# Allegro board pc065c_fibv2_toplevel_28smoothed.brd (continued)
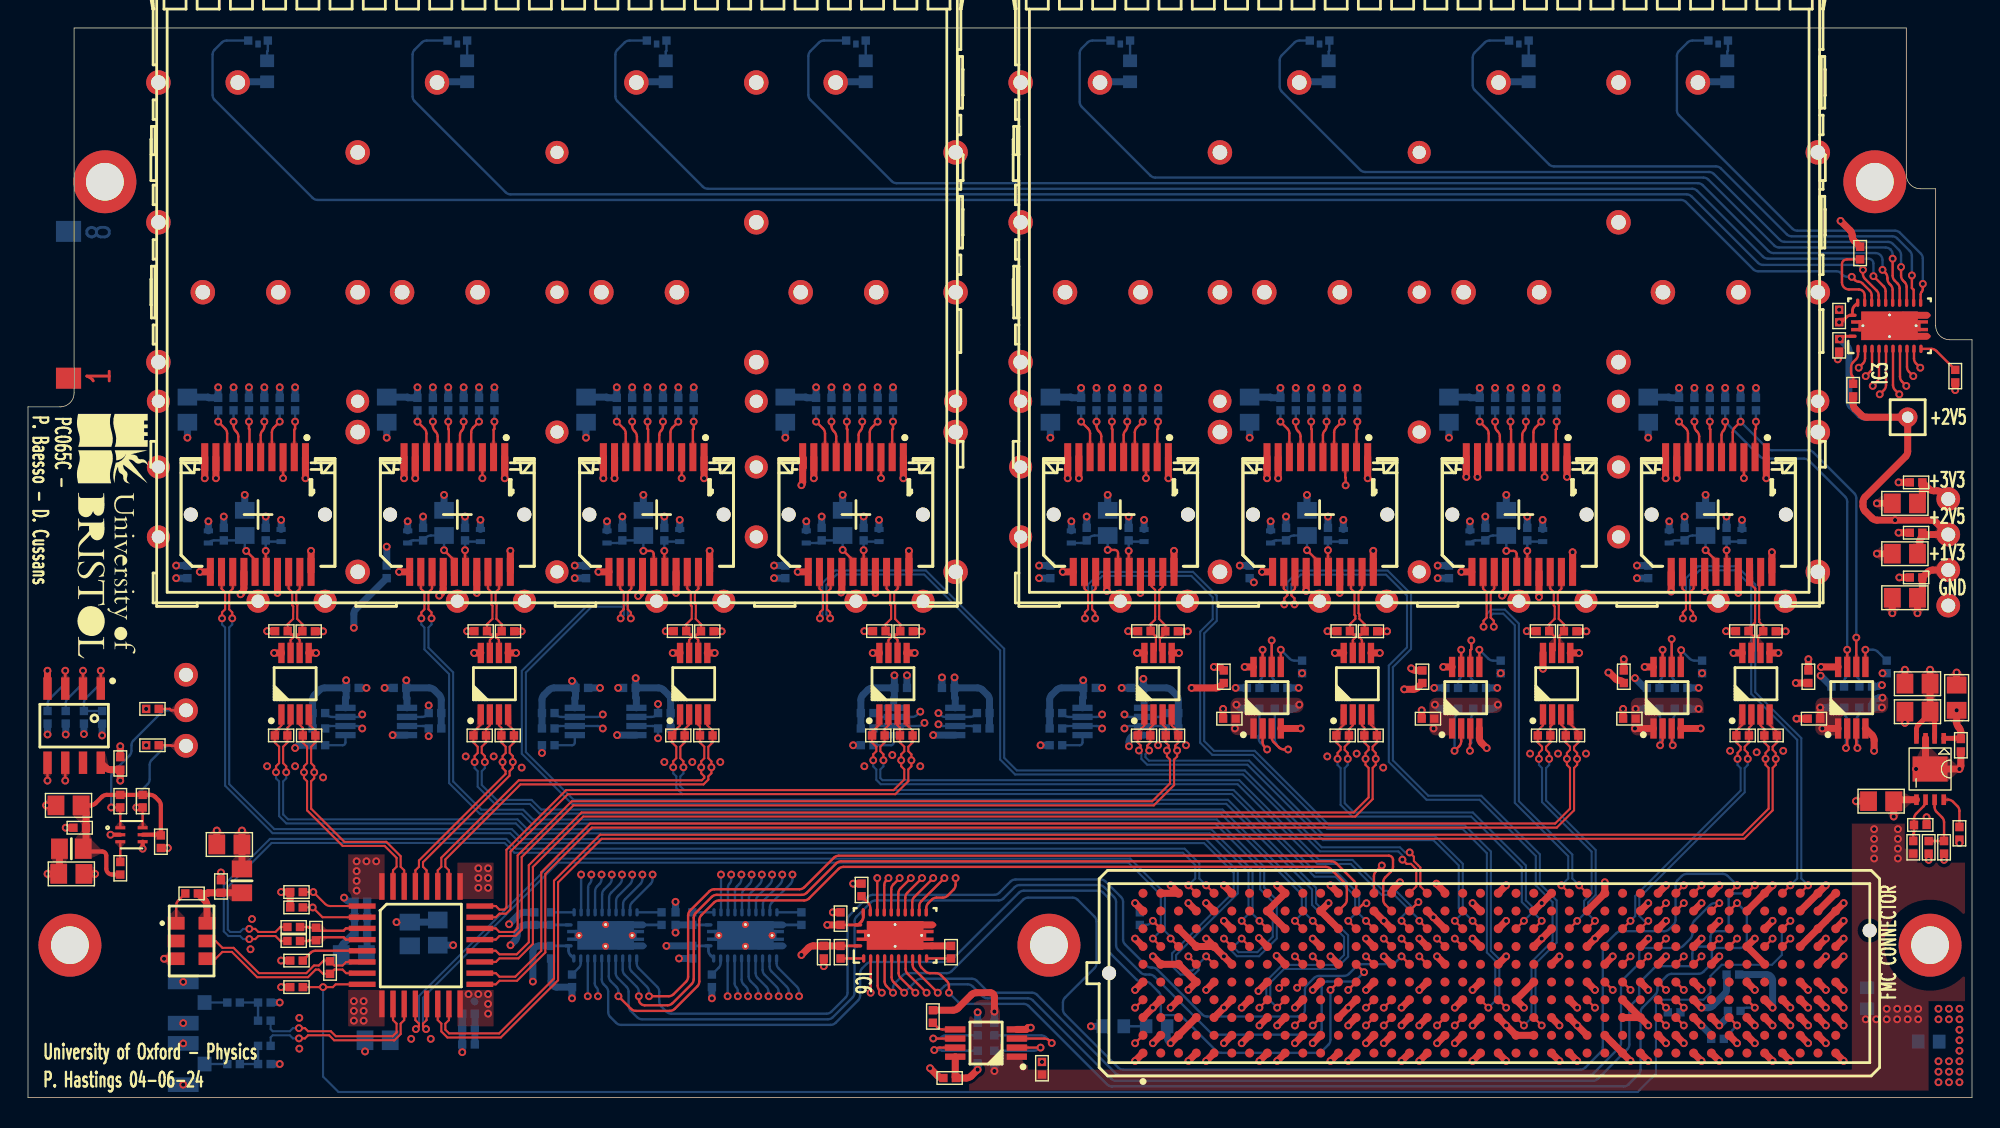
[diagram p0: board, top side]
## Routing (per net, layer and track width the routed paths; a pad name or vN(x,y) marks a point on that pad's centre or on a via; arc(x,y) is an arc through that point) (continued)
LED_FPGA<1>: length 54.1
  TOP w0.17: J2.E27 v1(113.31,7.7) ; v1(131.4,51.6) 131.7,51.9 arc(131.81,52.07) 131.85,52.26 IC3.4
  L3_SIG w0.17: v1(113.31,7.7) 115.05,9.44 arc(115.16,9.6) 115.2,9.79 115.2,13.89 arc(115.24,14.08) 115.35,14.25 120.15,19.05 arc(120.26,19.22) 120.3,19.41 120.3,24.49 arc(120.34,24.68) 120.45,24.85 124.05,28.45 arc(124.16,28.62) 124.2,28.81 124.2,36.69 arc(124.24,36.88) 124.35,37.04 128.15,40.85 arc(128.26,41.01) 128.3,41.2 128.3,44.78 arc(128.34,44.98) 128.45,45.14 130.91,47.6 arc(131.01,47.76) 131.05,47.95 131.05,51.05 arc(131.09,51.24) 131.2,51.4 v1(131.4,51.6)
LED_FPGA<2>: length 46.6
  TOP w0.17: v1(131.9,50.9) 132.2,51.2 arc(132.31,51.37) 132.35,51.56 IC3.5 ; 117.83,14.62 v1(118.39,15.18)
  L3_SIG w0.17: v1(118.39,15.18) 118.39,16.18 arc(118.43,16.37) 118.54,16.54 120.15,18.15 arc(120.32,18.26) 120.51,18.3 121.79,18.3 arc(121.98,18.34) 122.15,18.45 125.95,22.25 arc(126.06,22.42) 126.1,22.61 126.1,25.99 arc(126.06,26.18) 125.95,26.35 125.85,26.45 arc(125.74,26.62) 125.7,26.81 125.7,27.69 arc(125.74,27.88) 125.85,28.05 126.15,28.35 arc(126.32,28.46) 126.51,28.5 127.13,28.5 arc(127.32,28.54) 127.48,28.65 128.95,30.12 arc(129.06,30.28) 129.1,30.47 129.1,44.88 arc(129.14,45.07) 129.25,45.23 131.41,47.39 arc(131.51,47.55) 131.55,47.74 131.55,50.34 arc(131.59,50.54) 131.7,50.7 v1(131.9,50.9)
LED_FPGA<3>: length 48.4
  TOP w0.17: IC3.6 132.85,50.96 arc(132.81,50.77) 132.7,50.6 v1(132.4,50.3) ; 116.56,13.35 v1(117.12,13.91)
  L3_SIG w0.17: v1(132.4,50.3) 132.2,50.1 arc(132.09,49.94) 132.05,49.74 132.05,47.53 arc(132.01,47.34) 131.91,47.18 129.65,44.92 arc(129.54,44.76) 129.5,44.57 129.5,30.31 arc(129.46,30.12) 129.35,29.95 127.45,28.05 arc(127.34,27.88) 127.3,27.69 127.3,27.21 arc(127.26,27.02) 127.15,26.85 126.65,26.35 arc(126.54,26.18) 126.5,25.99 126.5,22.01 arc(126.46,21.82) 126.35,21.65 122.65,17.95 arc(122.48,17.84) 122.29,17.8 120.81,17.8 arc(120.62,17.76) 120.45,17.65 119.25,16.45 arc(119.14,16.28) 119.1,16.09 119.1,14.9 arc(118.98,14.62) 118.7,14.5 117.92,14.5 arc(117.73,14.46) 117.56,14.35 v1(117.12,13.91)
LED_FPGA<4>: length 65.1
  TOP w0.17: v1(133.8,50.3) 133.5,50.6 arc(133.39,50.77) 133.35,50.96 IC3.7 ; 115.28,9.54 v1(115.85,10.1)
  L3_SIG w0.17: v1(133.8,50.3) 133.6,50.5 arc(133.49,50.66) 133.45,50.85 133.45,51.74 arc(133.49,51.94) 133.6,52.1 134.15,52.65 arc(134.32,52.76) 134.51,52.8 135.59,52.8 arc(135.78,52.76) 135.95,52.65 136.65,51.95 arc(136.76,51.78) 136.8,51.59 136.8,45.21 arc(136.76,45.02) 136.65,44.85 135.75,43.95 arc(135.64,43.78) 135.6,43.59 135.6,37.11 arc(135.56,36.92) 135.45,36.75 134.55,35.85 arc(134.44,35.68) 134.4,35.49 134.4,31.71 arc(134.44,31.52) 134.55,31.35 134.85,31.05 arc(134.96,30.88) 135,30.69 135,28.81 arc(134.96,28.62) 134.85,28.45 132.85,26.45 arc(132.68,26.34) 132.49,26.3 129.91,26.3 arc(129.72,26.26) 129.55,26.15 128.35,24.95 arc(128.24,24.79) 128.2,24.59 128.2,21.21 arc(128.16,21.02) 128.05,20.85 123.05,15.85 arc(122.94,15.68) 122.9,15.49 122.9,13.6 arc(122.81,13.39) 122.6,13.3 119.21,13.3 arc(119.02,13.26) 118.85,13.15 117.95,12.25 arc(117.78,12.14) 117.59,12.1 116.9,12.1 arc(116.62,11.98) 116.5,11.7 116.5,10.96 arc(116.46,10.77) 116.35,10.6 v1(115.85,10.1)
LED_FPGA<5>: length 76.8
  TOP w0.17: J2.E28 v1(114.58,7.7) ; v1(134.3,50.9) 134,51.2 arc(133.89,51.37) 133.85,51.56 IC3.8
  L3_SIG w0.17: v1(134.3,50.9) 134.45,50.75 arc(134.56,50.58) 134.6,50.39 134.6,50.2 arc(134.45,49.85) 134.1,49.7 133.5,49.7 arc(133.22,49.82) 133.1,50.1 133.1,51.99 arc(133.14,52.18) 133.25,52.35 134.15,53.25 arc(134.32,53.36) 134.51,53.4 137.39,53.4 arc(137.58,53.36) 137.75,53.25 138.35,52.65 arc(138.46,52.48) 138.5,52.29 138.5,26.91 arc(138.46,26.72) 138.35,26.55 137.65,25.85 arc(137.48,25.74) 137.29,25.7 130.11,25.7 arc(129.92,25.66) 129.75,25.55 129.23,25.03 arc(129.12,24.86) 129.08,24.67 129.08,20.99 arc(129.04,20.8) 128.93,20.63 124.25,15.95 arc(124.14,15.78) 124.1,15.59 124.1,13.91 arc(124.06,13.72) 123.95,13.55 122.55,12.15 arc(122.38,12.04) 122.19,12 118.81,12 arc(118.62,11.96) 118.45,11.85 117.95,11.35 arc(117.84,11.18) 117.8,10.99 117.8,9.41 arc(117.76,9.22) 117.65,9.05 117.35,8.75 arc(117.18,8.64) 116.99,8.6 115.69,8.6 arc(115.5,8.56) 115.34,8.45 v1(114.58,7.7)
LED_FPGA<6>: length 47.3
  TOP w0.17: v1(134.8,51.6) 134.5,51.9 arc(134.39,52.07) 134.35,52.26 IC3.9 ; 119.09,14.62 v1(119.66,15.18)
  L3_SIG w0.17: v1(134.8,51.6) 135.05,51.35 arc(135.16,51.18) 135.2,50.99 135.2,50.31 arc(135.24,50.12) 135.35,49.95 135.65,49.65 arc(135.76,49.48) 135.8,49.29 135.8,45.71 arc(135.76,45.52) 135.65,45.35 134.75,44.45 arc(134.64,44.28) 134.6,44.09 134.6,40.61 arc(134.56,40.42) 134.45,40.25 132.15,37.95 arc(132.04,37.78) 132,37.59 132,31.11 arc(131.96,30.92) 131.85,30.75 127.05,25.95 arc(126.94,25.78) 126.9,25.59 126.9,21.61 arc(126.86,21.42) 126.75,21.25 122.65,17.15 arc(122.48,17.04) 122.29,17 120.71,17 arc(120.52,16.96) 120.35,16.85 119.81,16.31 arc(119.7,16.15) 119.66,15.95 v1(119.66,15.18)
LED_FPGA<7>: length 52.4
  TOP w0.17: IC3.10 134.85,52.86 arc(134.89,52.67) 135,52.5 v1(135.3,52.2) ; J2.J31 v1(118.39,13.91)
  L3_SIG w0.17: v1(118.39,13.91) 118.68,13.91 arc(118.87,13.95) 119.03,14.06 119.33,14.35 arc(119.49,14.46) 119.68,14.5 120.23,14.5 arc(120.35,14.55) 120.4,14.67 120.4,15.9 arc(120.55,16.25) 120.9,16.4 122.59,16.4 arc(122.78,16.44) 122.95,16.55 127.15,20.75 arc(127.26,20.92) 127.3,21.11 127.3,24.39 arc(127.34,24.58) 127.45,24.75 129.55,26.85 arc(129.72,26.96) 129.91,27 132.69,27 arc(132.88,27.04) 133.05,27.15 133.05,27.15 arc(133.16,27.32) 133.2,27.51 133.2,30.79 arc(133.16,30.98) 133.05,31.15 132.75,31.45 arc(132.64,31.62) 132.6,31.81 132.6,36.99 arc(132.64,37.18) 132.75,37.35 134.95,39.55 arc(135.06,39.72) 135.1,39.91 135.1,43.89 arc(135.14,44.08) 135.25,44.25 136.15,45.15 arc(136.26,45.32) 136.3,45.51 136.3,49.49 arc(136.26,49.68) 136.15,49.85 135.85,50.15 arc(135.74,50.32) 135.7,50.51 135.7,51.59 arc(135.66,51.78) 135.55,51.95 v1(135.3,52.2)
MOD_ABS: length 3.4
  TOP w0.17: v1(15.8,48.34) 15.8,47.83 15.84,47.79 J7.6
  BOTTOM w0.17: R26.1 v1(15.8,48.34)
MOD_ABS_1: length 3.4
  TOP w0.17: v1(30.05,48.34) 30.05,47.83 30.09,47.79 J12.6
  BOTTOM w0.17: R38.1 v1(30.05,48.34)
MOD_ABS_2: length 3.4
  TOP w0.17: v1(44.3,48.34) 44.3,47.83 44.34,47.79 J16.6
  BOTTOM w0.17: R46.1 v1(44.3,48.34)
MOD_ABS_3: length 3.4
  TOP w0.17: v1(58.55,48.34) 58.55,47.83 58.59,47.79 J20.6
  BOTTOM w0.17: R54.1 v1(58.55,48.34)
MOD_ABS_4: length 3.4
  TOP w0.17: v1(120.25,48.34) 120.25,47.83 120.29,47.79 J24.6
  BOTTOM w0.17: R103.1 v1(120.25,48.34)
MOD_ABS_5: length 3.4
  TOP w0.17: J28.6 106.04,47.79 106,47.83 v1(106,48.34)
  BOTTOM w0.17: R111.1 v1(106,48.34)
MOD_ABS_6: length 3.4
  TOP w0.17: v1(91.75,48.34) 91.75,47.83 91.79,47.79 J32.6
  BOTTOM w0.17: R119.1 v1(91.75,48.34)
MOD_ABS_7: length 3.4
  TOP w0.17: v1(77.5,48.34) 77.5,47.83 77.54,47.79 J36.6
  BOTTOM w0.17: R127.1 v1(77.5,48.34)
PGOOD_C2M: length 74
  TOP w0.17: J2.D1 v1(79.16,6.43) ; R62.1 v1(137,17)
  L6_SIG w0.17: v1(79.16,6.43) 79.65,5.93 arc(79.76,5.77) 79.8,5.58 79.8,2.11 arc(79.84,1.92) 79.95,1.75 81.15,0.55 arc(81.31,0.44) 81.51,0.4 125.99,0.4 arc(126.18,0.44) 126.35,0.55 130.5,4.7 arc(130.61,4.87) 130.65,5.06 130.65,9.34 arc(130.69,9.53) 130.8,9.7 136.85,15.75 arc(136.96,15.92) 137,16.11 v1(137,17)
PRSNT_L: length 1.8
  TOP w0.17: 81,12.07 v1(80.43,12.64)
  BOTTOM w0.17: R15.2 79.93,12.35 arc(80.12,12.39) 80.28,12.5 v1(80.43,12.64)
RD_FPGA_N<0>: length 103.1
  TOP w0.15: v1(13.88,34.27) 13.88,34.7 14.1,34.92 14.1,36.14 13.84,36.4 J7.12 ; J2.F5 v1(84.24,10.1)
  BOTTOM w0.15: v1(84.24,10.1) 83.7,9.56 83.7,9.12 83.38,8.8 82.4,8.8 81.8,9.4 81.8,10.31 86.21,14.72 86.21,16.08 84.09,18.2 35.19,18.2 34.48,18.91 17.49,18.91 14.1,22.3 14.1,33.62 13.88,33.84 v1(13.88,34.27)
RD_FPGA_N<1>: length 86.9
  TOP w0.15: 87.34,10.8 v1(86.78,11.37) ; v1(28.12,34.27) 28.12,34.7 28.34,34.92 28.34,36.14 28.09,36.4 J12.12
  BOTTOM w0.15: v1(86.78,11.37) 86.29,10.88 86.29,10.67 86.56,10.4 87.9,10.4 89,11.5 89,14 88.1,14.9 88.1,16.39 84.89,19.6 35.99,19.6 35.29,20.3 32.3,20.3 30.11,22.49 30.11,30.29 28.34,32.05 28.34,33.62 28.12,33.84 v1(28.12,34.27)
RD_FPGA_N<2>: length 94.5
  TOP w0.15: v1(42.38,34.27) 42.38,34.7 42.59,34.92 42.59,36.14 42.34,36.4 J16.12 ; J2.D9 v1(89.32,6.43)
  BOTTOM w0.15: v1(89.32,6.43) 88.83,6.92 88.83,8.22 89.81,9.2 93.51,9.2 94.39,10.08 94.39,11.61 92.1,13.9 92.1,15 85.8,21.3 39.01,21.3 35.6,24.71 35.6,30.4 40.31,35.11 42.45,35.11 42.6,34.96 42.6,34.5 v1(42.38,34.27)
RD_FPGA_N<3>: length 64.8
  TOP w0.15: v1(56.62,34.27) 56.62,34.7 56.84,34.92 56.84,36.14 56.59,36.4 J20.12 ; v1(98.79,17.54) 99.09,17.23 99.09,16.92 99.39,16.62 99.39,16.62 99.56,16.46 99.56,15.11 J2.K17
  BOTTOM w0.15: v1(98.79,17.54) 98.47,17.54 98.1,17.9 92.5,17.9 87,23.4 70.7,23.4 69.8,24.3 69.8,32.1 64.2,37.7 57.7,37.7 56.8,36.8 56.8,34.45 v1(56.62,34.27)
RD_FPGA_N<4>: length 63.3
  TOP w0.15: J36.12 75.54,36.4 75.8,36.14 75.8,34.92 75.58,34.7 v1(75.58,34.27) ; J2.D21 105.13,7 105.69,6.43 v1(105.69,6.43)
  BOTTOM w0.15: v1(105.69,6.43) 105.2,6.92 105.2,9.9 104.6,10.5 104.6,17.6 102.7,19.5 93.01,19.5 87.71,24.8 84.8,24.8 84.1,25.5 84.1,33.2 85,34.1 85,35.9 83.3,37.6 76.7,37.6 75.8,36.7 75.8,34.93 75.58,34.71 v1(75.58,34.27)
RD_FPGA_N<5>: length 54.2
  TOP w0.15: v1(89.83,35.27) 89.83,35.7 90.05,35.92 90.05,36.14 89.79,36.4 J32.12 ; v1(108.23,5.16) 107.67,5.72 107.67,5.72
  BOTTOM w0.15: v1(108.23,5.16) 107.79,5.6 107.79,9.58 109.3,11.09 109.3,14.1 108.1,15.3 108.1,17.4 103.91,21.59 100.12,21.59 97.59,24.12 97.59,30.78 98.89,32.08 98.89,36.02 97.22,37.69 90.88,37.69 90.05,36.86 90.05,35.93 89.83,35.71 v1(89.83,35.27)
RD_FPGA_N<6>: length 29.3
  TOP w0.15: J2.K26 v1(110.91,15.18) ; v1(104.08,33.67) 104.08,34.1 104.3,34.32 104.3,36.14 104.04,36.4 J28.12
  BOTTOM w0.15: v1(110.91,15.18) 110.42,15.67 110.42,17.38 106.6,21.2 106.6,33.9 105.6,34.9 104.61,34.9 104.3,34.58 104.3,34.33 104.08,34.11 v1(104.08,33.67)
RD_FPGA_N<7>: length 36.2
  TOP w0.15: v1(118.33,34.27) 118.33,34.7 118.55,34.92 118.55,36.14 118.29,36.4 J24.12 ; 126.72,14.62 v1(127.28,15.18)
  BOTTOM w0.15: v1(118.33,34.27) 118.33,34.71 118.55,34.93 118.55,37.15 119.4,38 122.2,38 123.5,36.7 123.5,29 126.79,25.71 126.79,15.67 v1(127.28,15.18)
RD_FPGA_P<0>: length 102.1
  TOP w0.15: J7.13 14.64,36.4 14.38,36.14 14.38,34.92 14.61,34.7 v1(14.61,34.27) ; J2.F4 v1(82.97,10.1)
  BOTTOM w0.15: v1(14.61,34.27) 14.61,33.84 14.38,33.62 14.38,22.43 17.61,19.2 34.6,19.2 35.31,18.49 84.21,18.49 86.5,16.2 86.5,14.6 82.09,10.19 82.09,9.52 82.52,9.09 83.26,9.09 83.41,9.24 83.41,9.66 v1(82.97,10.1)
RD_FPGA_P<1>: length 87.9
  TOP w0.15: 86.08,10.8 v1(85.51,11.37) ; v1(28.86,34.27) 28.86,34.7 28.64,34.92 28.64,36.14 28.89,36.4 J12.13
  BOTTOM w0.15: v1(28.86,34.27) 28.86,33.84 28.64,33.62 28.64,32.18 30.4,30.41 30.4,22.61 32.42,20.59 35.41,20.59 36.11,19.89 85.01,19.89 88.39,16.51 88.39,15.02 89.29,14.12 89.29,11.38 88.02,10.11 86.44,10.11 86,10.55 86,10.88 v1(85.51,11.37)
RD_FPGA_P<2>: length 95.5
  TOP w0.15: v1(43.1,34.27) 43.1,34.7 42.88,34.92 42.88,36.14 43.14,36.4 J16.13 ; J2.D8 v1(88.05,6.43)
  BOTTOM w0.15: v1(88.05,6.43) 88.54,6.92 88.54,8.34 89.69,9.49 93.39,9.49 94.1,10.2 94.1,11.49 91.81,13.78 91.81,14.88 85.68,21.01 38.89,21.01 35.31,24.59 35.31,30.52 40.19,35.4 42.57,35.4 42.89,35.08 42.89,34.49 v1(43.1,34.27)
RD_FPGA_P<3>: length 63.9
  TOP w0.15: 98.78,14.62 99.27,15.11 99.27,16.34 99.1,16.5 99.1,16.5 98.89,16.71 98.58,16.71 v1(98.27,17.02) ; J20.13 57.39,36.4 57.13,36.14 57.13,34.92 57.35,34.7 v1(57.35,34.27)
  BOTTOM w0.15: v1(57.35,34.27) 57.09,34.54 57.09,36.68 57.82,37.41 64.08,37.41 69.51,31.98 69.51,24.18 70.58,23.11 86.88,23.11 92.38,17.61 97.98,17.61 98.27,17.32 v1(98.27,17.02)
RD_FPGA_P<4>: length 62.3
  TOP w0.15: v1(76.31,34.27) 76.31,34.7 76.08,34.92 76.08,36.14 76.34,36.4 J36.13 ; 103.86,7 v1(104.42,6.43)
  BOTTOM w0.15: v1(104.42,6.43) 104.91,6.92 104.91,9.78 104.31,10.38 104.31,17.48 102.58,19.21 92.89,19.21 87.59,24.51 84.68,24.51 83.81,25.38 83.81,33.32 84.71,34.22 84.71,35.78 83.18,37.31 76.82,37.31 76.08,36.57 76.08,34.93 76.31,34.71 v1(76.31,34.27)
RD_FPGA_P<5>: length 53.2
  TOP w0.15: 106.39,5.72 v1(106.96,5.16) ; v1(90.56,35.27) 90.56,35.7 90.33,35.92 90.33,36.14 90.59,36.4 J32.13
  BOTTOM w0.15: v1(106.96,5.16) 107.5,5.7 107.5,9.7 109.01,11.21 109.01,13.98 107.81,15.18 107.81,17.28 103.79,21.3 100,21.3 97.3,24 97.3,30.9 98.6,32.2 98.6,35.9 97.1,37.4 91,37.4 90.33,36.73 90.33,35.93 90.56,35.71 v1(90.56,35.27)
RD_FPGA_P<6>: length 28.3
  TOP w0.15: J2.K25 v1(109.64,15.18) ; v1(104.81,33.67) 104.81,34.1 104.58,34.32 104.58,36.14 104.84,36.4 J28.13
  BOTTOM w0.15: v1(109.64,15.18) 110.13,15.67 110.13,17.26 106.31,21.08 106.31,33.78 105.48,34.61 104.73,34.61 104.58,34.46 104.58,34.33 104.81,34.11 v1(104.81,33.67)
RD_FPGA_P<7>: length 35.3
  TOP w0.15: v1(119.06,34.27) 119.06,34.7 118.83,34.92 118.83,36.14 119.09,36.4 J24.13 ; 125.44,14.62 v1(126.01,15.18)
  BOTTOM w0.15: v1(126.01,15.18) 126.5,15.67 126.5,25.59 123.21,28.88 123.21,36.58 122.08,37.71 119.52,37.71 118.83,37.02 118.83,34.93 119.06,34.71 v1(119.06,34.27)
SFP_FAULT<0>: length 62.9
  TOP w0.17: J7.2 19.04,47.77 19.1,47.83 v1(19.1,48.34)
  L3_SIG w0.17: v1(19.1,48.34) 19.1,26.21 arc(19.14,26.02) 19.25,25.85 25.05,20.05 arc(25.22,19.94) 25.41,19.9 43.29,19.9 arc(43.48,19.86) 43.65,19.75 47.3,16.1 arc(47.47,15.99) 47.66,15.95 v1(49.55,15.95)
  BOTTOM w0.17: IC5.3 v1(49.55,15.95) ; R24.2 v1(19.1,48.34)
SFP_FAULT<1>: length 72.6
  TOP w0.17: v1(33.35,48.34) 33.35,47.83 33.29,47.77 J12.2
  L3_SIG w0.17: v1(33.35,48.34) 32.05,47.05 arc(31.89,46.94) 31.7,46.9 26.31,46.9 arc(26.12,46.86) 25.95,46.75 22.55,43.35 arc(22.44,43.18) 22.4,42.99 22.4,40.51 arc(22.36,40.32) 22.25,40.15 19.65,37.55 arc(19.54,37.38) 19.5,37.19 19.5,26.41 arc(19.54,26.22) 19.65,26.05 25.25,20.45 arc(25.42,20.34) 25.61,20.3 43.49,20.3 arc(43.68,20.26) 43.85,20.15 46.95,17.05 arc(47.12,16.94) 47.31,16.9 49.82,16.9 arc(50.15,16.77) 50.28,16.44 v1(50.28,15.95)
  BOTTOM w0.17: R36.2 v1(33.35,48.34) ; IC5.4 50.05,15.03 arc(50.08,15.18) 50.16,15.31 arc(50.25,15.44) 50.28,15.59 v1(50.28,15.95)
SFP_FAULT<2>: length 86.7
  TOP w0.17: v1(47.6,48.34) 47.6,47.83 47.54,47.77 J16.2
  L3_SIG w0.17: v1(51.01,15.95) 51.01,16.48 arc(50.97,16.67) 50.86,16.84 50.55,17.15 arc(50.38,17.26) 50.19,17.3 47.51,17.3 arc(47.32,17.34) 47.15,17.45 44.05,20.55 arc(43.88,20.66) 43.69,20.7 25.81,20.7 arc(25.62,20.74) 25.45,20.85 20.05,26.25 arc(19.94,26.42) 19.9,26.61 19.9,37.09 arc(19.94,37.28) 20.05,37.45 22.65,40.05 arc(22.76,40.22) 22.8,40.41 22.8,42.89 arc(22.84,43.08) 22.95,43.25 26.05,46.35 arc(26.22,46.46) 26.41,46.5 39.89,46.5 arc(40.08,46.54) 40.24,46.65 41.15,47.55 arc(41.31,47.66) 41.51,47.7 46.75,47.7 arc(46.94,47.74) 47.1,47.85 v1(47.6,48.34)
  BOTTOM w0.17: IC5.5 50.55,14.76 arc(50.59,14.95) 50.7,15.11 50.86,15.28 arc(50.97,15.44) 51.01,15.63 v1(51.01,15.95) ; R44.2 v1(47.6,48.34)
SFP_FAULT<3>: length 100.1
  TOP w0.17: J20.2 61.79,47.77 61.85,47.83 v1(61.85,48.34)
  L3_SIG w0.17: v1(61.85,48.34) 61.45,47.95 arc(61.29,47.84) 61.1,47.8 48.31,47.8 arc(48.12,47.76) 47.95,47.65 46.55,46.25 arc(46.38,46.14) 46.19,46.1 26.51,46.1 arc(26.32,46.06) 26.15,45.95 23.35,43.15 arc(23.24,42.98) 23.2,42.79 23.2,40.21 arc(23.16,40.02) 23.05,39.85 21.95,38.75 arc(21.84,38.58) 21.8,38.39 21.8,37.11 arc(21.84,36.92) 21.95,36.75 22.65,36.05 arc(22.76,35.88) 22.8,35.69 22.8,34.71 arc(22.76,34.52) 22.65,34.35 22.15,33.85 arc(22.04,33.68) 22,33.49 22,25.11 arc(22.04,24.92) 22.15,24.75 25.65,21.25 arc(25.82,21.14) 26.01,21.1 43.89,21.1 arc(44.08,21.06) 44.25,20.95 47.35,17.85 arc(47.52,17.74) 47.71,17.7 50.49,17.7 arc(50.68,17.66) 50.85,17.55 51.59,16.81 arc(51.7,16.64) 51.74,16.45 v1(51.74,15.95)
  BOTTOM w0.17: R52.2 v1(61.85,48.34) ; IC5.6 51.05,14.53 arc(51.09,14.72) 51.2,14.88 51.59,15.28 arc(51.7,15.44) 51.74,15.63 v1(51.74,15.95)
SFP_FAULT<4>: length 120
  TOP w0.17: J36.2 80.74,47.77 80.8,47.83 v1(80.8,48.34)
  L3_SIG w0.17: v1(80.8,48.34) 78.9,46.45 arc(78.74,46.34) 78.55,46.3 73.01,46.3 arc(72.82,46.34) 72.65,46.45 72.05,47.05 arc(71.88,47.16) 71.69,47.2 68.71,47.2 arc(68.52,47.16) 68.35,47.05 67.75,46.45 arc(67.58,46.34) 67.39,46.3 54.01,46.3 arc(53.82,46.34) 53.65,46.45 53.25,46.85 arc(53.08,46.96) 52.89,47 48.11,47 arc(47.92,46.96) 47.75,46.85 46.45,45.55 arc(46.28,45.44) 46.09,45.4 26.41,45.4 arc(26.22,45.36) 26.05,45.25 24.15,43.35 arc(24.04,43.18) 24,42.99 24,40.41 arc(23.96,40.22) 23.85,40.05 22.35,38.55 arc(22.24,38.38) 22.2,38.19 22.2,37.31 arc(22.24,37.12) 22.35,36.95 23.05,36.25 arc(23.16,36.08) 23.2,35.89 23.2,34.51 arc(23.16,34.32) 23.05,34.15 22.55,33.65 arc(22.44,33.48) 22.4,33.29 22.4,31.61 arc(22.44,31.42) 22.55,31.25 23.15,30.65 arc(23.26,30.48) 23.3,30.29 23.3,24.41 arc(23.34,24.22) 23.45,24.05 25.85,21.65 arc(26.02,21.54) 26.21,21.5 44.09,21.5 arc(44.28,21.46) 44.45,21.35 47.55,18.25 arc(47.72,18.14) 47.91,18.1 50.89,18.1 arc(51.08,18.06) 51.25,17.95 52.32,16.88 arc(52.43,16.71) 52.47,16.52 v1(52.47,15.95)
  BOTTOM w0.17: v1(52.47,15.95) 52.47,15.63 arc(52.43,15.44) 52.32,15.28 51.7,14.65 arc(51.59,14.49) 51.55,14.3 IC5.7 ; R125.2 v1(80.8,48.34)
SFP_FAULT<5>: length 131.3
  TOP w0.17: v1(95.05,48.34) 95.05,47.83 94.99,47.77 J32.2
  L3_SIG w0.17: v1(53.2,15.95) 53.2,16.39 arc(53.16,16.58) 53.05,16.75 51.45,18.35 arc(51.28,18.46) 51.09,18.5 48.11,18.5 arc(47.92,18.54) 47.75,18.65 44.65,21.75 arc(44.48,21.86) 44.29,21.9 26.41,21.9 arc(26.22,21.94) 26.05,22.05 24.95,23.15 arc(24.84,23.32) 24.8,23.51 24.8,42.99 arc(24.84,43.18) 24.95,43.35 26.35,44.75 arc(26.52,44.86) 26.71,44.9 46.29,44.9 arc(46.48,44.94) 46.65,45.05 47.85,46.25 arc(48.02,46.36) 48.21,46.4 52.59,46.4 arc(52.78,46.36) 52.95,46.25 53.25,45.95 arc(53.42,45.84) 53.61,45.8 67.69,45.8 arc(67.88,45.84) 68.05,45.95 68.45,46.35 arc(68.62,46.46) 68.81,46.5 71.69,46.5 arc(71.88,46.46) 72.05,46.35 72.45,45.95 arc(72.62,45.84) 72.81,45.8 92.3,45.8 arc(92.49,45.84) 92.65,45.95 v1(95.05,48.34)
  BOTTOM w0.17: R117.2 v1(95.05,48.34) ; IC5.8 52.05,14.07 arc(52.09,14.26) 52.2,14.42 53.05,15.28 arc(53.16,15.44) 53.2,15.63 v1(53.2,15.95)
SFP_FAULT<6>: length 141.4
  TOP w0.17: J28.2 109.24,47.77 109.3,47.83 v1(109.3,48.34)
  L3_SIG w0.17: v1(53.93,15.95) 53.93,16.36 arc(53.89,16.55) 53.78,16.72 51.75,18.75 arc(51.58,18.86) 51.39,18.9 48.31,18.9 arc(48.12,18.94) 47.95,19.05 44.85,22.15 arc(44.68,22.26) 44.49,22.3 28.01,22.3 arc(27.82,22.34) 27.65,22.45 26.75,23.35 arc(26.64,23.52) 26.6,23.71 26.6,28.99 arc(26.56,29.18) 26.45,29.35 25.85,29.95 arc(25.74,30.12) 25.7,30.31 25.7,38.19 arc(25.74,38.38) 25.85,38.55 26.55,39.25 arc(26.72,39.36) 26.91,39.4 26.99,39.4 arc(27.18,39.44) 27.35,39.55 30.65,42.85 arc(30.82,42.96) 31.01,43 41.69,43 arc(41.88,43.04) 42.05,43.15 42.55,43.65 arc(42.72,43.76) 42.91,43.8 45,43.8 45.1,43.7 53.79,43.7 arc(53.98,43.74) 54.15,43.85 55.45,45.15 arc(55.62,45.26) 55.81,45.3 68.39,45.3 arc(68.58,45.26) 68.75,45.15 70.15,43.75 arc(70.32,43.64) 70.51,43.6 71.49,43.6 arc(71.68,43.64) 71.85,43.75 72.85,44.75 arc(73.02,44.86) 73.21,44.9 94.29,44.9 arc(94.48,44.94) 94.65,45.05 95.15,45.55 arc(95.32,45.66) 95.51,45.7 106.45,45.7 arc(106.64,45.74) 106.8,45.85 v1(109.3,48.34)
  BOTTOM w0.17: IC5.9 52.55,13.84 arc(52.59,14.03) 52.7,14.19 53.78,15.28 arc(53.89,15.44) 53.93,15.63 v1(53.93,15.95) ; R109.2 v1(109.3,48.34)
SFP_FAULT<7>: length 154.5
  TOP w0.17: v1(123.55,48.34) 123.55,47.83 123.49,47.77 J24.2
  L3_SIG w0.17: v1(54.66,15.95) 54.66,16.33 arc(54.62,16.52) 54.51,16.69 52.05,19.15 arc(51.88,19.26) 51.69,19.3 48.51,19.3 arc(48.32,19.34) 48.15,19.45 44.95,22.65 arc(44.78,22.76) 44.59,22.8 28.41,22.8 arc(28.22,22.84) 28.05,22.95 27.55,23.45 arc(27.44,23.62) 27.4,23.81 27.4,26.99 arc(27.44,27.18) 27.55,27.35 27.85,27.65 arc(27.96,27.82) 28,28.01 28,30.49 arc(27.96,30.68) 27.85,30.85 27.35,31.35 arc(27.24,31.52) 27.2,31.71 27.2,35.09 arc(27.24,35.28) 27.35,35.45 27.75,35.85 arc(27.86,36.02) 27.9,36.21 27.9,38.99 arc(27.94,39.18) 28.05,39.35 28.75,40.05 arc(28.92,40.16) 29.11,40.2 42.39,40.2 arc(42.58,40.24) 42.75,40.35 45.25,42.85 arc(45.42,42.96) 45.61,43 55.99,43 arc(56.18,43.04) 56.35,43.15 56.75,43.55 arc(56.92,43.66) 57.11,43.7 67.89,43.7 arc(68.08,43.66) 68.25,43.55 68.85,42.95 arc(69.02,42.84) 69.21,42.8 71.69,42.8 arc(71.88,42.84) 72.05,42.95 72.65,43.55 arc(72.82,43.66) 73.01,43.7 77.89,43.7 arc(78.08,43.66) 78.25,43.55 78.25,43.55 arc(78.42,43.44) 78.61,43.4 89.39,43.4 arc(89.58,43.44) 89.75,43.55 89.95,43.75 arc(90.12,43.86) 90.31,43.9 92.09,43.9 arc(92.28,43.86) 92.45,43.75 93.05,43.15 arc(93.22,43.04) 93.41,43 95.49,43 arc(95.68,43.04) 95.85,43.15 97.65,44.95 arc(97.82,45.06) 98.01,45.1 106.59,45.1 arc(106.78,45.14) 106.95,45.25 108.05,46.35 arc(108.22,46.46) 108.41,46.5 121.73,46.5 arc(121.85,46.55) 121.9,46.67 121.9,46.7 v1(123.55,48.34)
  BOTTOM w0.17: IC5.10 53.05,13.61 arc(53.09,13.8) 53.2,13.96 54.51,15.28 arc(54.62,15.44) 54.66,15.63 v1(54.66,15.95) ; R101.2 v1(123.55,48.34)
SFP_FAULT_FPGA<0>: length 94.1
  TOP w0.17: 91.16,8.27 v1(90.75,7.86)
  L6_SIG w0.17: v1(90.75,7.86) 92.55,6.05 arc(92.72,5.94) 92.91,5.9 102.49,5.9 arc(102.68,5.94) 102.85,6.05 104.35,7.55 arc(104.46,7.72) 104.5,7.91 104.5,18.29 arc(104.46,18.48) 104.35,18.65 101.35,21.65 arc(101.18,21.76) 100.99,21.8 73.51,21.8 arc(73.32,21.76) 73.15,21.65 66.35,14.85 arc(66.18,14.74) 65.99,14.7 52.51,14.7 arc(52.32,14.66) 52.16,14.55 50.17,12.57 arc(50.06,12.41) 50.02,12.22 v1(50.02,7.25)
  BOTTOM w0.17: IC5.21 v1(50.02,7.25)
SFP_FAULT_FPGA<1>: length 90.6
  TOP w0.17: J2.F11 v1(91.86,10.1)
  L6_SIG w0.17: v1(91.86,10.1) 92.35,9.61 arc(92.46,9.44) 92.5,9.25 92.5,7.5 arc(92.62,7.22) 92.9,7.1 101.59,7.1 arc(101.78,7.14) 101.95,7.25 103.85,9.15 arc(103.96,9.32) 104,9.51 104,18.19 arc(103.96,18.38) 103.85,18.55 101.15,21.25 arc(100.98,21.36) 100.79,21.4 73.71,21.4 arc(73.52,21.36) 73.36,21.25 66.55,14.45 arc(66.39,14.34) 66.19,14.3 54.21,14.3 arc(54.02,14.26) 53.85,14.15 50.9,11.2 arc(50.79,11.04) 50.76,10.85 v1(50.76,7.25)
  BOTTOM w0.17: IC5.20 50.52,8.17 arc(50.55,8.02) 50.64,7.89 arc(50.73,7.76) 50.76,7.61 v1(50.76,7.25)
SFP_FAULT_FPGA<2>: length 80.6
  TOP w0.17: 94.97,8.27 v1(94.4,7.7)
  L6_SIG w0.17: v1(51.48,7.25) 51.48,8.88 arc(51.52,9.07) 51.63,9.23 56.15,13.75 arc(56.32,13.86) 56.51,13.9 66.49,13.9 arc(66.68,13.94) 66.85,14.05 73.59,20.79 arc(73.76,20.9) 73.95,20.94 99.92,20.94 arc(100.11,20.9) 100.28,20.79 102.55,18.52 arc(102.66,18.35) 102.7,18.16 102.7,9.31 arc(102.66,9.12) 102.55,8.95 102.15,8.55 arc(101.98,8.44) 101.79,8.4 95.31,8.4 arc(95.12,8.36) 94.95,8.25 v1(94.4,7.7)
  BOTTOM w0.17: v1(51.48,7.25) 51.48,7.57 arc(51.45,7.76) 51.34,7.92 51.17,8.09 arc(51.06,8.25) 51.02,8.44 IC5.19
SFP_FAULT_FPGA<3>: length 55.2
  TOP w0.17: 94.97,13.35 95.39,13.77 arc(95.53,13.87) v1(95.7,13.9)
  L6_SIG w0.17: v1(95.7,13.9) 95.25,14.35 arc(95.08,14.46) 94.89,14.5 92.91,14.5 arc(92.72,14.54) 92.55,14.65 88.55,18.65 arc(88.38,18.76) 88.19,18.8 74.71,18.8 arc(74.52,18.76) 74.35,18.65 65.25,9.55 arc(65.08,9.44) 64.89,9.4 58.91,9.4 arc(58.72,9.36) 58.55,9.25 55.85,6.55 arc(55.68,6.44) 55.49,6.4 52.4,6.4 arc(52.27,6.45) 52.22,6.58 v1(52.22,7.25)
  BOTTOM w0.17: IC5.18 51.52,8.67 arc(51.56,8.48) 51.67,8.32 52.07,7.92 arc(52.18,7.76) 52.22,7.57 v1(52.22,7.25)
SFP_FAULT_FPGA<4>: length 74.5
  TOP w0.17: J2.F14 v1(95.67,10.1)
  L6_SIG w0.17: v1(95.67,10.1) 96.12,9.65 arc(96.29,9.54) 96.48,9.5 101.23,9.5 arc(101.35,9.55) 101.4,9.67 101.4,17.92 arc(101.36,18.11) 101.25,18.28 99.18,20.35 arc(99.01,20.46) 98.82,20.5 74.11,20.5 arc(73.92,20.46) 73.75,20.35 67.05,13.65 arc(66.88,13.54) 66.69,13.5 59.83,13.5 arc(59.64,13.46) 59.47,13.35 57.65,11.53 arc(57.48,11.42) 57.29,11.38 54.89,11.38 arc(54.7,11.34) 54.53,11.23 53.09,9.79 arc(52.98,9.63) 52.95,9.44 v1(52.95,7.25)
  BOTTOM w0.17: IC5.17 52.02,8.9 arc(52.06,8.71) 52.17,8.55 52.8,7.92 arc(52.91,7.76) 52.95,7.57 v1(52.95,7.25)
SFP_FAULT_FPGA<5>: length 56.4
  TOP w0.17: J2.K14 96.23,15.83 arc(96.27,16.02) 96.38,16.18 v1(96.8,16.6)
  L6_SIG w0.17: v1(53.67,7.25) 53.67,9.47 arc(53.71,9.66) 53.82,9.82 54.75,10.75 arc(54.92,10.86) 55.11,10.9 57.39,10.9 arc(57.58,10.94) 57.75,11.05 59.72,13.02 arc(59.88,13.13) 60.07,13.17 66.96,13.17 arc(67.06,13.19) 67.14,13.24 73.75,19.85 arc(73.92,19.96) 74.11,20 93.19,20 arc(93.38,19.96) 93.55,19.85 v1(96.8,16.6)
  BOTTOM w0.17: v1(53.67,7.25) 53.67,7.57 arc(53.64,7.76) 53.53,7.92 52.67,8.78 arc(52.56,8.94) 52.52,9.13 IC5.16
SFP_FAULT_FPGA<6>: length 56.9
  TOP w0.17: 98.78,13.35 v1(99.42,13.98)
  L6_SIG w0.17: v1(54.41,7.25) 54.41,7.88 arc(54.44,8.07) 54.55,8.23 56.38,10.05 arc(56.54,10.16) 56.73,10.2 64.49,10.2 arc(64.68,10.24) 64.85,10.35 73.95,19.45 arc(74.12,19.56) 74.31,19.6 92.19,19.6 arc(92.38,19.56) 92.55,19.45 97.87,14.13 arc(98.03,14.02) 98.22,13.98 v1(99.42,13.98)
  BOTTOM w0.17: IC5.15 53.02,9.36 arc(53.06,9.17) 53.17,9.01 54.26,7.92 arc(54.37,7.76) 54.41,7.57 v1(54.41,7.25)
